# Allegro board trx_layout.brd (continued)
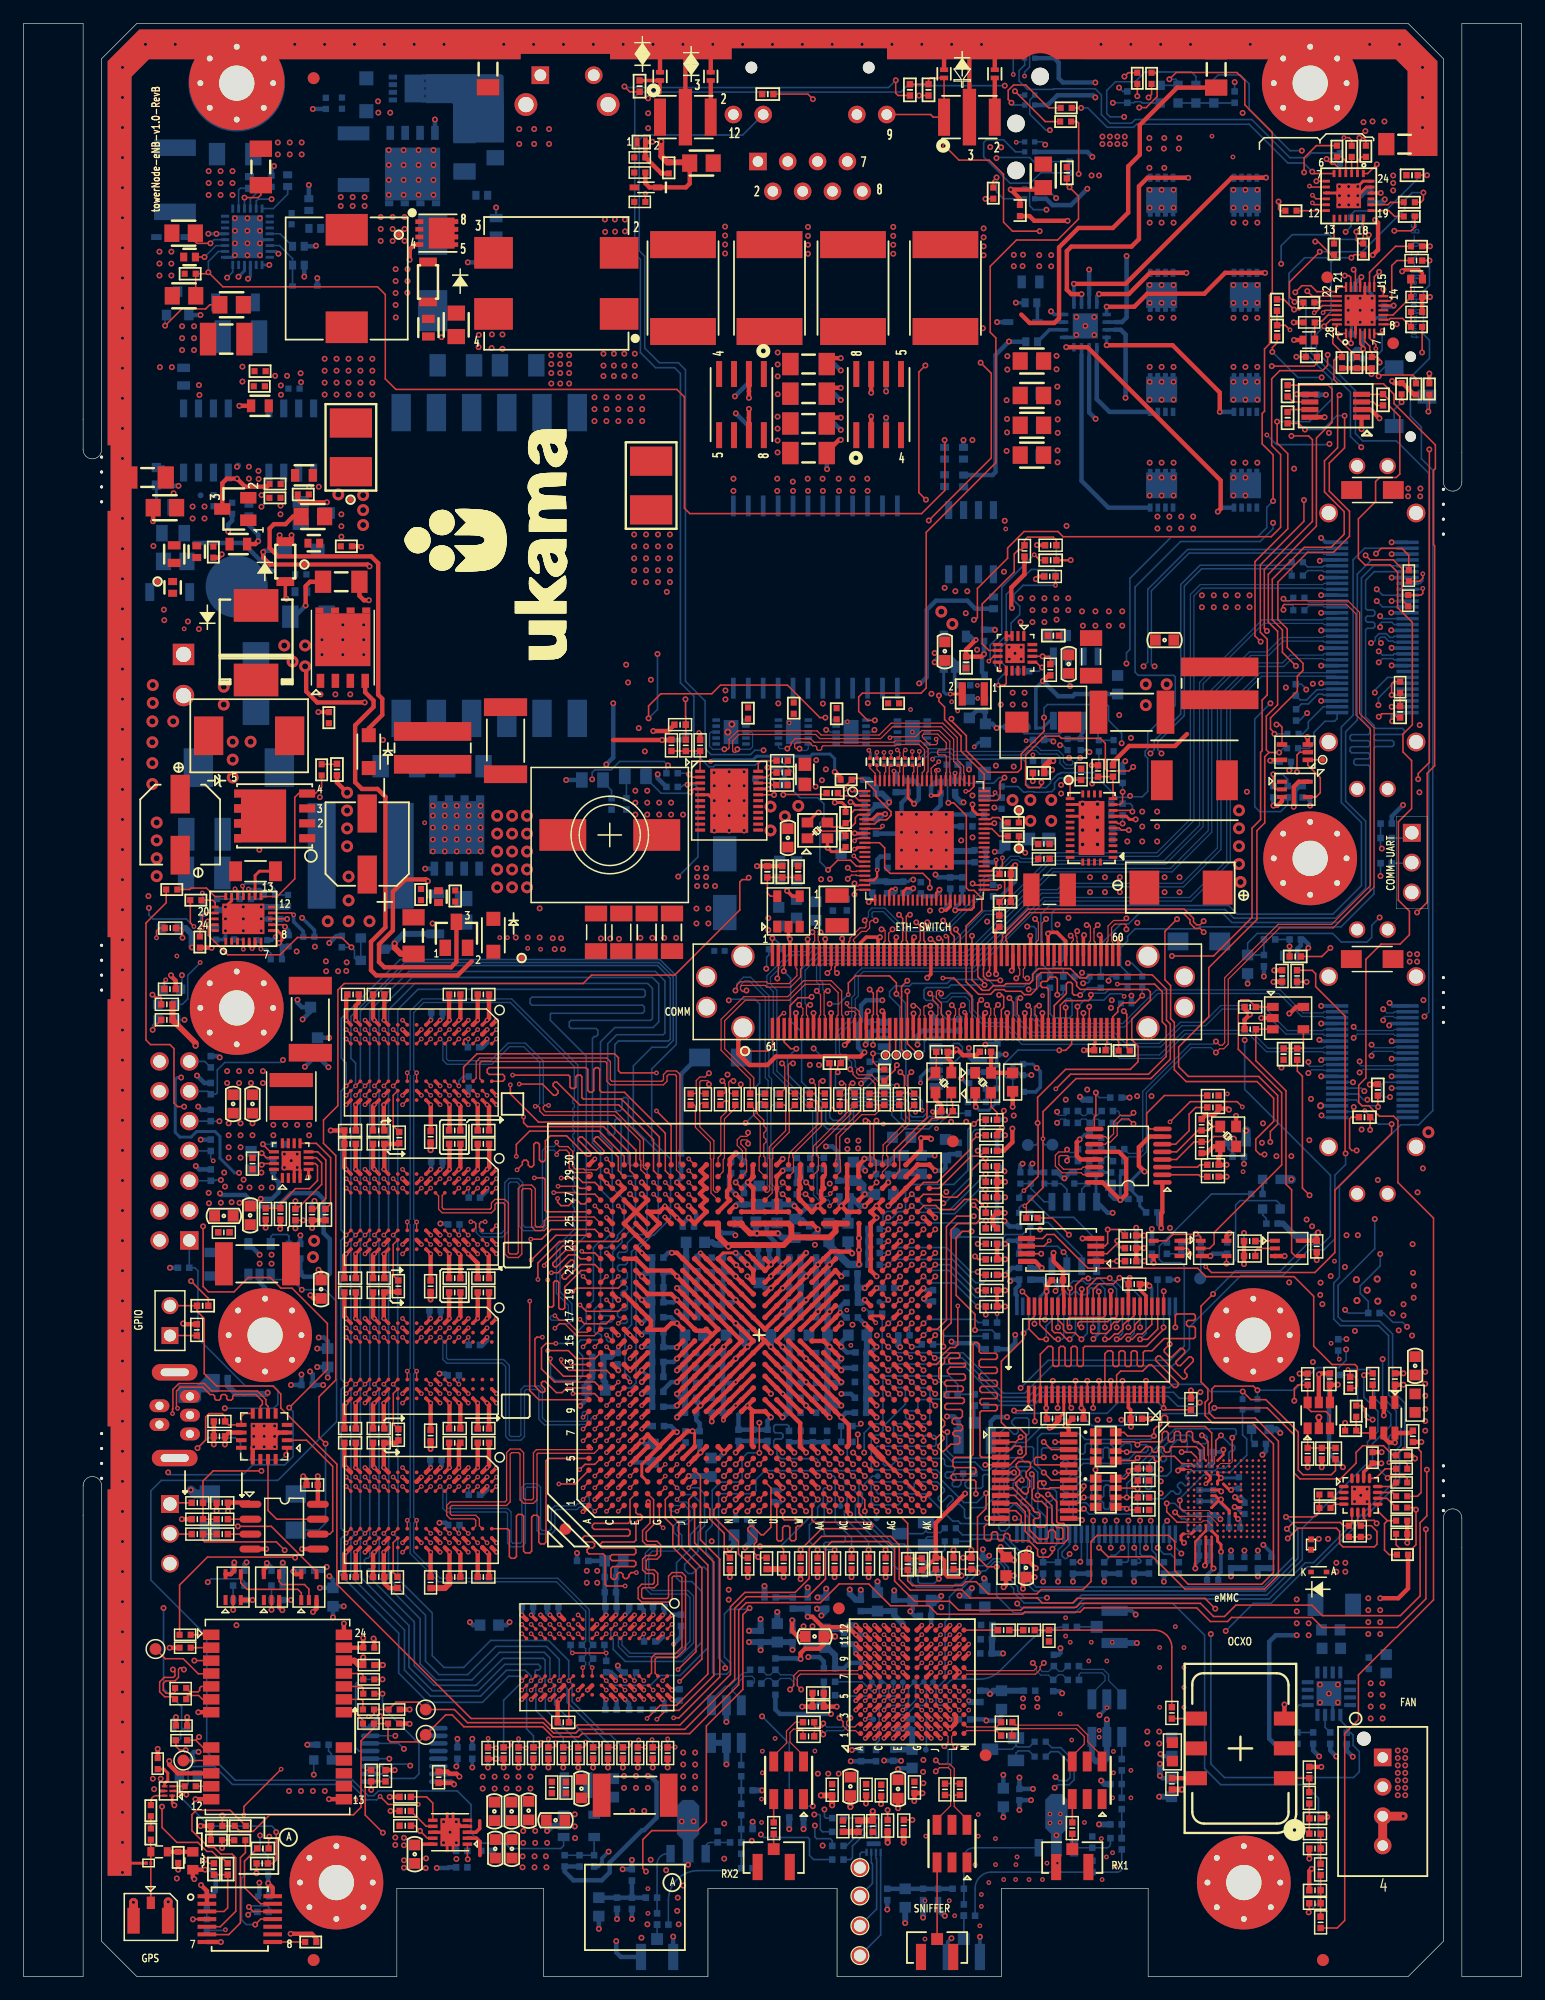
[diagram p0: board, top side]
## Routing (per net, layer and track width the routed paths; a pad name or vN(x,y) marks a point on that pad's centre or on a via; arc(x,y) is an arc through that point) (continued)
7130_DDR3_DQ61: length 29.6
  TOP w0.127: v2(56.67,68.61) U1.K29
  TOP w0.137: U11.A2 v2(40.29,80.63)
  L6-SIGNAL w0.127: v2(56.67,68.61) 57.16,69.1 57.16,69.9 56.7,70.36 52.97,70.36 46.28,77.04 41.63,81.7 41.45,81.7 41.25,81.5 41.25,81.32 42.91,79.66 42.91,79.46 42.74,79.28 42.52,79.28 41.18,80.63 v2(40.29,80.63)
7130_DDR3_DQ62: length 29.6
  TOP w0.127: v2(56.67,67.61) U1.K28
  TOP w0.137: v2(40.29,79.83) U11.A3
  L6-SIGNAL w0.127: v2(56.67,67.61) 55.95,68.33 55.95,69.32 55.6,69.67 52.74,69.67 46.58,75.84 43.69,75.84 42.28,77.25 41.98,77.55 41.98,77.75 42.13,77.89 42.36,77.89 44.01,76.24 44.2,76.24 44.33,76.37 44.33,76.62 42.62,78.34 42.27,78.34 40.77,79.83 v2(40.29,79.83)
7130_DDR3_DQ63: length 29.6
  TOP w0.137: U11.C3 v2(38.69,79.83)
  TOP w0.152: v2(56.67,66.61) U1.K27
  L6-SIGNAL w0.127: v2(56.67,66.61) 56.2,67.08 55.48,67.08 55.18,67.39 55.18,68.89 54.69,69.37 52.51,69.37 46.99,74.88 41.81,74.88 39.31,77.39 39.31,77.62 39.55,77.86 39.75,77.86 40.46,77.16 40.64,77.16 40.91,77.43 40.91,77.61 v2(38.69,79.83)
7130_DDR3_DQS0N: length 29.6
  TOP w0.114: U1.J2 v2(55.67,40.61) ; U35.G3 v2(50.44,29.18)
  BOTTOM w0.114: v2(55.67,40.61) 55.88,40.4 56.46,40.4 57.08,39.78 57.08,39.07 56.52,38.51 55.95,38.51 55.71,38.27 55.71,37.94 56.08,37.57 56.08,36.63 55.67,36.22 53.58,36.22 53.27,35.92 53.27,33.17 53.58,32.87 56.6,32.87 57.08,32.39 57.08,28.41 55.9,27.23 51.54,27.23 50.68,28.09 50.68,28.95 v2(50.44,29.18)
7130_DDR3_DQS0P: length 29.6
  TOP w0.114: U35.F3 v2(51.24,29.18) ; U1.J1 v2(55.67,39.61)
  BOTTOM w0.114: v2(51.24,29.18) 50.99,28.93 50.99,28.22 51.67,27.54 55.77,27.54 56.78,28.54 56.78,32.26 56.47,32.57 53.45,32.57 52.97,33.05 52.97,36.05 53.45,36.53 55.54,36.53 55.77,36.76 55.77,37.44 55.4,37.81 55.4,38.39 55.82,38.81 56.4,38.81 56.78,39.19 56.78,39.65 56.33,40.1 55.16,40.1 55.05,39.98 55.05,39.72 55.15,39.61 55.67,39.61 v2(55.67,39.61)
7130_DDR3_DQS1N: length 29.6
  TOP w0.127: U35.B7 53.8,25.82 53.8,27.03 53.93,27.16 55.63,27.16 56.4,27.92 56.4,34.09 56.09,34.39 55.25,34.39 54.95,34.09 54.95,32.31 54.82,32.18 52.79,32.18 52.66,32.31 52.66,32.97 52.79,33.1 53.73,33.1 54.03,33.4 54.03,34.32 53.73,34.62 53.17,34.62 53.04,34.75 53.04,35.41 53.17,35.54 53.97,35.54 54.27,35.84 54.27,36.76 53.97,37.06 53.17,37.06 53.04,37.19 53.04,37.84 53.68,38.47 53.68,40.6 U1.F2
7130_DDR3_DQS1P: length 29.6
  TOP w0.127: U35.C7 53.5,25.84 53.5,27.16 53.8,27.46 55.5,27.46 56.09,28.05 56.09,33.96 55.96,34.09 55.38,34.09 55.25,33.96 55.25,32.18 54.95,31.88 52.66,31.88 52.36,32.18 52.36,33.1 52.66,33.4 53.6,33.4 53.73,33.53 53.73,34.19 53.6,34.32 53.04,34.32 52.74,34.62 52.74,35.54 53.04,35.84 53.84,35.84 53.97,35.97 53.97,36.63 53.84,36.76 53.04,36.76 52.74,37.06 52.74,37.98 53.37,38.61 53.37,40.48 53.27,40.58 53.17,40.58 53.06,40.46 53.06,40.19 53.13,40.11 U1.F1
7130_DDR3_DQS2N: length 29.6
  TOP w0.114: U30.G3 35.09,41.33 v2(35.49,41.73) ; U1.B1 v2(48.67,39.61)
  BOTTOM w0.114: v2(48.67,39.61) 48.32,39.97 47.36,39.97 47.16,39.77 45.4,39.77 45.27,39.64 45.27,37.98 44.97,37.67 44.05,37.67 43.75,37.98 43.75,41.53 43.62,41.66 42.88,41.66 42.76,41.53 42.76,36.9 42.45,36.59 41.54,36.59 41.23,36.9 41.23,39.42 41.1,39.55 36.04,39.55 35.73,39.86 35.73,41.49 v2(35.49,41.73)
7130_DDR3_DQS2P: length 29.6
  TOP w0.114: v2(36.29,41.73) 35.89,41.33 U30.F3 ; U1.A2 v2(47.67,40.61)
  BOTTOM w0.114: v2(36.29,41.73) 36.03,41.47 36.03,39.99 36.16,39.86 41.23,39.86 41.54,39.55 41.54,37.02 41.66,36.9 42.32,36.9 42.45,37.02 42.45,41.66 42.76,41.96 43.75,41.96 44.05,41.66 44.05,38.1 44.18,37.98 44.84,37.98 44.97,38.1 44.97,39.77 45.27,40.07 47.02,40.07 47.21,40.26 48.09,40.26 48.2,40.38 48.2,40.73 48.06,40.87 47.93,40.87 v2(47.67,40.61)
7130_DDR3_DQS3N: length 29.6
  TOP w0.114: U30.B7 38.83,38.39 38.83,38.97 38.53,39.27 36.48,39.27 36.35,39.4 36.35,39.98 36.48,40.11 41.16,40.11 41.46,40.41 41.46,44.48 41.59,44.6 42.17,44.6 42.3,44.48 42.3,40.59 42.6,40.29 43.44,40.29 43.75,40.59 43.75,44.48 43.82,44.55 48.62,44.55 U1.B6
7130_DDR3_DQS3P: length 29.6
  TOP w0.114: U30.C7 38.53,38.36 38.53,38.84 38.4,38.97 36.35,38.97 36.05,39.27 36.05,40.11 36.35,40.41 41.03,40.41 41.16,40.54 41.16,44.6 41.46,44.91 42.3,44.91 42.6,44.6 42.6,40.72 42.73,40.59 43.31,40.59 43.44,40.72 43.44,44.6 43.7,44.86 48.41,44.86 48.46,44.91 48.46,45.01 48.36,45.11 U1.A6
7130_DDR3_DQS4N: length 29.6
  TOP w0.114: U15.G3 35.09,66.73 35.36,66.46 35.36,65.33 35.67,65.03 39.86,65.03 40.16,65.33 40.16,65.74 40.29,65.86 40.88,65.86 41,65.74 41,61.52 41.31,61.22 42.15,61.22 42.45,61.52 42.45,66.96 42.58,67.08 43.16,67.08 43.29,66.96 43.29,63.82 43.59,63.52 44.36,63.52 44.66,63.82 44.66,64.21 44.81,64.37 48.38,64.37 48.42,64.33 48.42,64.18 48.36,64.11 U1.A25
7130_DDR3_DQS4P: length 29.6
  TOP w0.114: U1.B25 48.61,64.67 44.69,64.67 44.36,64.34 44.36,63.95 44.23,63.82 43.72,63.82 43.59,63.95 43.59,67.08 43.29,67.39 42.45,67.39 42.15,67.08 42.15,61.65 42.02,61.52 41.43,61.52 41.31,61.65 41.31,65.86 41,66.17 40.16,66.17 39.86,65.86 39.86,65.46 39.73,65.33 35.8,65.33 35.67,65.46 35.67,66.51 35.89,66.73 U15.F3
7130_DDR3_DQS5N: length 29.7
  TOP w0.114: U15.B7 38.83,63.79 38.83,64.11 38.98,64.26 v2(39.33,64.26) ; v2(45.42,71.05) 45.42,70.89 45.65,70.67 46.38,70.67 46.79,70.25 46.79,68.98 47.01,68.76 47.73,68.76 47.81,68.68 48.83,68.68 49.17,69.03 U1.B30
  BOTTOM w0.114: v2(45.42,71.05) 45.42,70.89 45.19,70.67 44.55,70.67 44.2,70.32 44.2,64.05 43.96,63.81 42.73,63.81 42.53,64.01 42.53,67.59 42.17,67.95 41.35,67.95 41,67.6 41,63.58 40.7,63.27 39.07,63.27 38.87,63.48 38.87,64.05 39.09,64.26 v2(39.33,64.26)
7130_DDR3_DQS5P: length 29.6
  TOP w0.114: U15.C7 38.53,63.76 38.53,64.11 38.37,64.26 v2(38.11,64.26) ; U1.A29 48.38,68.11 48.43,68.16 48.43,68.37 48.34,68.46 46.88,68.46 46.49,68.85 46.49,70.12 46.25,70.36 45.65,70.36 45.42,70.13 v2(45.42,69.98)
  BOTTOM w0.114: v2(38.11,64.26) 38.37,64.26 38.56,64.07 38.56,63.35 38.95,62.97 40.83,62.97 41.31,63.45 41.31,67.48 41.47,67.64 42.04,67.64 42.22,67.46 42.22,63.88 42.6,63.5 44.09,63.5 44.51,63.92 44.51,70.2 44.67,70.36 45.19,70.36 45.42,70.13 v2(45.42,69.98)
7130_DDR3_DQS6N: length 29.6
  TOP w0.114: v2(35.49,79.83) 35.09,79.43 U11.G3 ; v2(43.59,74.09) 43.85,74.09 43.98,73.97 43.98,73.69 44.34,73.33 50.34,73.33 52.51,71.16 52.51,69.55 52.59,69.47 52.59,68.7 52.91,68.38 U1.F29
  BOTTOM w0.114: v2(35.49,79.83) 35.73,79.59 35.73,78.02 36.08,77.68 39.91,77.68 41.41,79.17 42.62,79.17 43.98,77.82 43.98,74.32 43.75,74.09 v2(43.59,74.09)
7130_DDR3_DQS6P: length 29.6
  TOP w0.107: v2(36.29,79.83) 35.89,79.43 U11.F3
  TOP w0.114: U1.F30 53.23,69.11 53.23,68.85 53.11,68.72 52.99,68.72 52.81,68.9 52.81,71.27 50.45,73.64 44.47,73.64 44.28,73.83 44.28,74.05 44.4,74.17 v2(44.74,74.17)
  BOTTOM w0.114: v2(44.74,74.17) 44.43,74.17 44.28,74.32 44.28,77.94 42.74,79.48 41.28,79.48 39.78,77.98 36.2,77.98 36.03,78.15 36.03,79.57 v2(36.29,79.83)
7130_DDR3_DQS7N: length 29.6
  TOP w0.114: U11.B7 38.87,76.45 38.87,77.78 39,77.9 49.56,77.9 49.69,77.78 49.69,76.23 49.99,75.92 54.52,75.92 54.82,76.23 54.82,76.67 54.95,76.8 55.49,76.8 55.62,76.67 55.62,68.66 U1.J29
7130_DDR3_DQS7P: length 29.6
  TOP w0.114: U11.C7 38.56,76.5 38.56,77.9 38.87,78.21 49.69,78.21 49.99,77.9 49.99,76.35 50.12,76.23 54.39,76.23 54.52,76.35 54.52,76.8 54.82,77.1 55.62,77.1 55.93,76.8 55.93,69.2 56.02,69.11 U1.J30
7130_DDR3_ODT0: length 170
  TOP w0.119: R228.1 55.48,19.51 v2(55.51,19.54)
  TOP w0.137: U1.C17 49.63,55.58 47.78,55.58 v2(47.4,55.96) ; U15.K1 32.69,68.33 v2(32.29,68.73) ; v2(32.29,56.03) 32.69,55.63 U23.K1 ; U11.K1 32.69,81.03 v2(32.29,81.43) ; U35.K1 v2(47.24,30.78) ; v2(32.29,43.33) 32.69,42.93 U30.K1
  L3-SIGNAL w0.127: v2(47.4,55.96) 46.11,55.96 45.98,56.09 45.98,58.14 46.11,58.27 46.24,58.27 46.36,58.14 46.36,56.49 46.49,56.37 46.62,56.37 46.74,56.49 46.74,57.7 46.87,57.83 47.19,57.83 47.32,57.95 47.32,58.61 48.08,59.37 48.08,59.92 47.95,60.05 47.63,60.05 47.51,60.18 47.51,60.37 47.63,60.49 47.95,60.49 48.08,60.62 48.08,60.81 47.95,60.94 47.63,60.94 47.51,61.06 47.51,61.19 47.63,61.32 47.95,61.32 48.08,61.45 48.08,62.72 48.5,63.13 48.68,63.13 48.81,63 48.81,62.82 48.55,62.55 48.55,62.37 48.69,62.23 48.87,62.23 51.14,64.49 51.14,65.79 50.74,66.18 50.74,66.65 50.62,66.78 50.27,66.78 50.15,66.91 50.15,69.97 44.46,75.66 44.46,77.26 41.72,79.99 41.54,79.99 41.4,79.85 41.4,79.67 43.7,77.38 43.7,77.2 43.56,77.06 43.38,77.06 43.2,77.25 41.85,78.59 39.48,78.59 39.35,78.72 39.35,78.97 39.48,79.1 40.76,79.1 40.88,79.23 40.88,82.06 40.67,82.27 32.65,82.27 32.29,81.92 v2(32.29,81.43) 32.29,81.42 32.8,81.42 33.22,81 33.22,79.14 32.84,78.76 32.84,77.7 32.96,77.57 33.22,77.57 33.35,77.7 33.35,78.4 33.47,78.53 33.79,78.53 33.92,78.4 33.92,76.3 33.31,75.69 33.31,74.25 32.77,73.71 32.77,70 32.29,69.52 v2(32.29,68.73) 32.7,68.73 33,68.42 33,66.02 32.24,65.26 32.24,64.04 33.15,63.12 33.15,61.45 32.77,61.06 32.77,56.51 v2(32.29,56.03) 33,56.03 33.35,55.68 33.35,52.95 33.99,52.3 33.99,50.85 33.28,50.14 33.28,43.98 33.15,43.86 32.9,43.86 32.77,43.98 32.77,48.05 32.65,48.17 32.42,48.17 32.29,48.05 v2(32.29,43.33) 33.87,43.33 34.3,42.9 34.3,38.08 33.28,37.06 33.28,36.17 33.41,36.05 34.04,36.05 34.17,35.92 34.17,35.66 34.04,35.54 33.41,35.54 33.28,35.41 33.28,35.16 33.41,35.03 44.08,35.03 47.24,31.86 v2(47.24,30.78) 47.94,30.78 48.46,30.27 48.46,27.85 48.9,27.41 48.9,22.46 50.07,21.29 54.59,21.29 55.51,20.37 v2(55.51,19.54)
7130_DDR3_RAS: length 165.5
  TOP w0.119: v2(54.24,19.47) 54.2,19.51 R227.1
  TOP w0.137: v2(33.89,41.73) 33.49,41.33 U30.J3 ; U23.J3 33.49,54.03 v2(33.89,54.43) ; v2(44.66,59.31) 44.66,57.13 44.79,57 45.03,57 45.16,57.13 45.16,59.1 45.28,59.22 45.47,59.22 45.6,59.1 45.6,56.94 45.73,56.81 45.98,56.81 46.11,56.94 46.11,58.72 47.51,60.11 U1.A21 ; v2(33.89,79.83) 33.49,79.43 U11.J3 ; v2(33.89,67.13) 33.49,66.73 U15.J3 ; U35.J3 v2(48.84,29.18)
  L6-SIGNAL w0.127: v2(44.66,59.31) 43.82,60.15 43.82,63.16 47.14,66.47 50.53,66.47 51.44,65.56 53.58,65.56 54.19,66.17 57.23,66.17 57.46,66.4 57.46,70.21 57.01,70.67 53.12,70.67 41.57,82.21 33.84,82.21 33.4,81.77 33.4,80.32 v2(33.89,79.83) 34.62,79.1 34.62,77.51 34.49,77.38 34.36,77.38 34.23,77.51 34.23,78.84 34.11,78.97 33.92,78.97 33.79,78.84 33.79,77.26 34.11,76.94 34.11,76.06 33.46,75.42 33.46,67.56 v2(33.89,67.13) 33.89,63.46 33.41,62.98 33.41,61.83 34.04,61.19 34.04,57.79 33.92,57.66 33.79,57.66 33.66,57.79 33.66,60.66 33.54,60.78 33.35,60.78 33.22,60.66 33.22,55.1 v2(33.89,54.43) 34.17,54.15 34.17,51.2 33.38,50.41 33.38,47.67 34.04,47.01 34.04,44.68 33.92,44.55 33.79,44.55 33.66,44.68 33.66,46.4 33.54,46.52 33.35,46.52 33.22,46.4 33.22,42.4 v2(33.89,41.73) 33.89,39.61 34.28,39.22 34.28,35.8 34.74,35.35 45.23,35.35 48.33,32.25 48.33,29.7 v2(48.84,29.18) 48.84,22.2 50.18,20.87 53.41,20.87 54.24,20.04 v2(54.24,19.47)
7130_DDR3_RESET: length 162
  TOP w0.137: U23.T2 v2(27.49,55.23) ; U30.T2 v2(27.49,42.53) ; v2(50.67,50.61) U1.C11 ; U11.T2 v2(27.49,80.63) ; U15.T2 v2(27.49,67.93) ; U35.T2 v2(42.44,29.98)
  L3-SIGNAL w0.127: v2(39.58,20.27) 39.58,20.68 41.84,22.94 41.84,29.38 v2(42.44,29.98) 41.46,30.97 29.73,30.97 27.07,33.62 27.07,42.11 v2(27.49,42.53) 27.09,42.93 27.09,54.83 v2(27.49,55.23) 26.92,55.8 26.92,67.36 v2(27.49,67.93) 26.92,68.5 26.92,80.06 v2(27.49,80.63) 26.92,81.2 26.92,82.03 31.35,86.46 50.17,86.46 55.67,80.97 55.67,80.79 55.47,80.59 55.29,80.59 51.95,83.92 51.74,83.92 51.59,83.78 51.59,83.52 55.76,79.35 55.76,72.11 57.67,70.21 57.67,64.11 56.71,63.16 54.07,63.16 53.2,62.28 53.2,51.43 52.86,51.1 51.15,51.1 v2(50.67,50.61)
  BOTTOM w0.127: v2(39.58,20.27) 39.58,19.52 R464.1
7130_DDR3_VREF: length 5.5
  TOP w0.381: v2(50.67,53.61) U1.D15
  BOTTOM w0.381: R407.2 50.67,53.15 v2(50.67,53.61)
  BOTTOM w0.508: R407.2 50.37,53.09 50.04,52.76 R406.1 C338.1 49.41,50.75 49.56,50.59 C345.1
7130_DDR3_WE: length 165.3
  TOP w0.119: R225.1 51.6,19.51 51.72,19.63 v2(51.72,19.91)
  TOP w0.137: U1.B21 48.66,60.62 47.44,60.62 46.2,59.38 46.02,59.38 45.88,59.51 45.88,59.69 46.91,60.72 46.91,60.9 46.8,61.01 46.62,61.01 45.54,59.92 v2(44.97,59.92) ; v2(31.49,41.73) 31.89,41.33 U30.L3 ; v2(31.49,79.83) 31.89,79.43 U11.L3 ; v2(31.49,67.13) 31.89,66.73 U15.L3 ; v2(31.49,54.43) 31.89,54.03 U23.L3 ; U35.L3 v2(46.44,29.18)
  L6-SIGNAL w0.127: v2(44.97,59.92) 44.97,63.05 47.02,65.1 49.92,65.1 50.4,64.62 53.91,64.62 54.41,64.11 56.84,64.11 58.07,65.34 58.07,70.74 57.54,71.27 53.42,71.27 41.47,83.23 33.15,83.23 31.87,81.94 31.87,80.21 v2(31.49,79.83) 31.9,79.42 31.9,74.48 31.57,74.15 31.57,69.91 31.69,69.78 31.82,69.78 31.95,69.91 31.95,72.88 32.08,73 32.2,73 32.33,72.88 32.33,69.45 31.91,69.03 31.91,67.55 v2(31.49,67.13) 31.87,66.75 31.87,60.87 32.27,60.48 32.27,57.7 32.14,57.57 32.01,57.57 31.88,57.7 31.88,59.92 31.76,60.05 31.63,60.05 31.5,59.92 31.5,56.27 31.87,55.9 31.87,54.81 v2(31.49,54.43) 31.88,54.04 31.88,47.96 32.27,47.57 32.27,44.81 32.14,44.68 32.01,44.68 31.88,44.81 31.88,46.71 31.76,46.84 31.57,46.84 31.44,46.71 31.44,44.17 31.86,43.75 31.86,42.1 v2(31.49,41.73) 31.87,41.35 31.87,35.81 33.6,34.08 44.9,34.08 46.87,32.11 46.87,29.61 v2(46.44,29.18) 46.44,27.76 46.39,27.71 46.39,26.11 46.87,25.63 46.87,22.83 49.48,20.22 51.41,20.22 v2(51.72,19.91)
7130_DDR3PLL: length 4.3
  TOP w0.381: U1.AF28 v1(73.67,67.61)
  BOTTOM w0.381: v1(73.67,67.61) 73.64,67.64 C258.1 73.64,68.33 C257.1 L21.1
7130_DSP_JTAG_TCK: length 8
  TOP w0.137: U1.AC3 v1(70.67,41.61) ; R198.2 v1(73.44,36.34)
  BOTTOM w0.137: v1(70.67,41.61) 70.67,41.46 71.12,41.01 71.12,40.43 70.87,40.18 70.87,38.9 v1(73.44,36.34)
7130_DSP_JTAG_TDI: length 8.6
  TOP w0.137: U1.AA4 v1(68.67,42.61) ; R196.2 v1(70.54,36.34)
  BOTTOM w0.137: v1(68.67,42.61) 69.01,42.61 69.15,42.48 69.15,38.74 70.54,37.35 v1(70.54,36.34)
7130_DSP_JTAG_TDO: length 10.3
  TOP w0.137: U1.Y5 v1(67.67,43.61)
  BOTTOM w0.137: R415.2 65.21,46.85 65.07,46.99 64.05,46.99 63.91,46.85 63.91,46.42 64.05,46.28 64.56,46.28 64.7,46.15 64.7,45.9 64.56,45.77 64.05,45.77 63.91,45.63 63.91,45.1 64.18,44.82 64.18,44.44 64.53,44.09 67.54,44.09 67.67,43.96 v1(67.67,43.61)
7130_DSP_JTAG_TMS: length 7.9
  TOP w0.137: R194.2 v1(67.65,36.34) ; U1.AA3 v1(68.67,41.61)
  BOTTOM w0.137: v1(68.67,41.61) 68.26,41.61 68.13,41.48 68.13,40.42 67.65,39.94 67.65,39.16 66.95,38.46 66.95,37.04 v1(67.65,36.34)
7130_DSP_JTAG_TRST: length 7.8
  TOP w0.137: U1.AB3 v1(69.67,41.61) ; R197.2 v1(71.99,36.34)
  BOTTOM w0.137: v1(69.67,41.61) 70.15,41.13 70.15,39.83 69.93,39.61 69.93,39.08 71.99,37.02 v1(71.99,36.34)
7130_EJTAG_TDO: length 153.7
  TOP w0.137: v1(74.67,60.61) U1.AG21
  L6-SIGNAL w0.127: v1(16.81,67.82) 17.36,67.82 17.65,67.53 17.65,66.5 17.27,66.12 17.27,61.92 15.37,60.02 15.37,52.45 17.98,49.85 17.98,43.54 18.8,42.71 18.8,36.03 18.43,35.65 18.43,30.77 19.61,29.59 27.45,29.59 27.48,29.61 28.01,30.14 30.09,30.14 34.85,25.39 34.85,16.63 36.25,15.23 44.6,15.23 45.97,16.59 55.05,16.59 56,17.54 56.43,17.54 56.64,17.76 56.64,19.21 57.58,20.15 57.58,32.92 57.48,33.02 57.48,43.58 58.16,44.27 58.16,57.55 59.7,59.08 73.87,59.08 74.22,59.43 74.22,60.16 v1(74.67,60.61)
  BOTTOM w0.137: v1(16.81,67.82) 16.33,67.82 16.27,67.75 R346.2 J5.5
7130_EJTAG_TRST_L: length 159.4
  TOP w0.137: v1(75.67,61.61) U1.AH22
  L6-SIGNAL w0.127: v1(75.67,61.61) 75.76,61.61 76.14,61.24 76.14,60.29 75.75,59.89 75.75,59.41 75.18,58.85 75.18,58.5 74.85,58.17 74.6,58.17 74.11,57.69 74.11,57.3 73.23,56.41 71.22,56.41 70.46,57.17 61.21,57.17 60.13,56.09 60.13,44.44 59.85,44.17 59.6,44.17 58.14,42.71 58.14,33.3 58.24,33.19 58.24,18.67 58.14,18.57 58.14,16.25 57.05,15.16 45.57,15.16 44.97,14.57 35.8,14.57 34.09,16.28 34.09,25.22 30.02,29.28 28.56,29.28 28.18,28.9 17.73,28.9 16.82,29.82 16.82,38.2 18.01,39.4 18.01,42.44 16.69,43.76 16.69,47.93 v1(17.15,48.39)
  BOTTOM w0.137: v1(17.15,48.39) 21.33,48.39 21.67,48.73 21.67,49.93 21.33,50.27 18.93,50.27 14.86,54.33 14.86,60.09 14.6,60.35 R387.2 14.13,62.67 J5.1
7130_GPIO0: length 97
  TOP w0.137: U1.AG12 v1(74.67,50.61)
  L6-SIGNAL w0.127: v1(74.67,50.61) 75.14,51.08 75.14,55.71 75.5,56.07 75.75,56.07 77.15,57.46 77.15,65.17 76.16,66.16 76.16,66.92 74.96,68.12 70.06,68.12 60.02,78.16 57.79,78.16 46.34,89.6 36.09,89.6 35.7,89.22 32.77,89.22 32.47,89.52 31.02,89.52 29.72,88.21 26.98,88.21 26.22,87.45 25.3,87.45 24.06,86.21 22.76,86.21 21.92,87.05 16.78,87.05 14.7,84.97 14.7,84.89 13.71,83.9 v1(13.71,81.46)
  BOTTOM w0.137: LED9.2 v1(13.71,81.46)
7130_GPIO8: length 43.5
  TOP w0.137: v1(77.62,52.66) 77.62,52.66 U1.AK14 ; R166.1 111.76,43.08 111.41,42.72 109,42.72 108.59,43.13 108.59,46.36 105.83,49.12 104.55,49.12 v1(103.86,49.81)
  BOTTOM w0.137: v1(77.62,52.66) 79.98,52.66 83.32,49.31 85.55,49.31 86.37,50.14 97.6,50.14 97.89,50.42 100.49,50.42 101.09,49.81 v1(103.86,49.81) 103.85,49.79 R2N2.1
7130_GPIO10_3V3: length 7
  TOP w0.137: R661.2 69.36,77.52 v1(69.36,77)
  BOTTOM w0.137: U59.6 72.64,76.51 71.65,75.52 69.3,75.52 69.16,75.66 69.16,76.8 v1(69.36,77)
7130_GPIO13_3V3: length 46
  TOP w0.137: v1(78.36,53.64) 78.36,54.99 79.02,55.65 79.02,63.58 79.56,64.11 81.14,64.11 81.43,64.4 81.43,65.2 v1(80.94,65.68)
  L3-SIGNAL w0.127: v1(74.4,75.83) 74.4,76.24 74.67,76.51 77.22,76.51 78.42,75.31 87.03,75.31 88.82,73.52 88.82,72.3 88.7,72.17 85.42,72.17 85.06,71.82 85.06,71.8 83.13,69.87 83.12,69.87 82.26,69.01 81.71,69.01 80.94,68.24 v1(80.94,65.68)
  BOTTOM w0.137: v1(74.4,75.83) 74.31,75.92 73.53,75.92 U59.5 ; v1(78.36,53.64) 78.18,53.83 R399.2
7130_GPIO14_3V3: length 49.6
  TOP w0.137: v1(81.05,55.04) 81.05,56.39 79.45,58 79.45,62.91 79.99,63.45 80.76,63.45 v1(80.76,63.44)
  L3-SIGNAL w0.127: v1(72.37,79.32) 73.65,79.32 75.45,77.52 75.45,77.52 76.68,77.52 78.56,75.64 87.17,75.64 89.15,73.66 89.15,71.77 88.06,70.67 84.91,70.67 84.3,70.06 84.29,70.06 82.7,68.48 82.7,65.73 82.16,65.19 80.66,65.19 80.24,64.77 80.24,63.97 v1(80.76,63.44)
  BOTTOM w0.137: R398.2 82.93,54.61 82.5,55.05 v1(81.05,55.04) ; v1(72.37,79.32) 72.34,79.32 72.34,79.32 72.37,79.35 72.37,79.65 72.6,79.89 U58.6
7130_HOT: length 64.2
  TOP w0.137: U1.AH12 v1(75.67,50.61) ; v1(101.45,48.41) 105.95,48.41 108.22,46.14 108.22,42.89 108.74,42.37 112.17,42.37 113.52,43.71 113.52,44.63 114.08,45.2 115.84,45.2 116.66,44.37 R167.2 117.51,44.98 118.75,44.98 119.05,44.68 119.05,41.2 118.75,40.89 R173.2
  BOTTOM w0.137: v1(101.45,48.41) 100.97,47.93 94.81,47.93 93.79,46.91 91.01,46.91 90.46,47.46 87.35,47.46 85.36,45.47 84.61,45.47 82.25,43.11 81.74,43.11 81.04,43.8 79.16,43.8 79.15,43.82 79.13,43.82 78.18,44.76 78.18,49.03 78.05,49.16 77.86,49.16 77.48,49.16 77.22,49.43 77.22,49.8 77.22,49.8 76.91,50.11 TP30.1 v1(75.67,50.61)
7130_I2C0_EEPROM_WP: length 34.4
  TOP w0.137: U19.7 v1(86.7,61.54)
  L6-SIGNAL w0.127: v1(86.7,61.54) 87.06,61.18 92.47,61.18 92.65,61.35 94.35,61.35 95.71,59.99 107.59,59.99 108.28,59.3 108.28,57.98 109.78,56.49 109.78,54.08 111.3,52.56 v2(112.09,52.56)
  BOTTOM w0.137: R382.1 86.69,61.54 v1(86.7,61.54) ; R401.2 111.99,52.65 v2(112.09,52.56)
7130_I2C1_EEPROM_WP: length 49.8
  L6-SIGNAL w0.127: v1(117.86,55.32) 117.72,55.46 111.74,55.46 108.94,58.26 108.94,60.63 107.72,61.85 102.8,61.85 101.81,60.86 96.8,60.86 96.25,61.42 94.85,61.42 94.58,61.68 88.61,61.68 v1(88.6,61.67)
  BOTTOM w0.137: R394.2 115.87,56.49 116.65,55.7 117.48,55.7 v1(117.86,55.32) ; TP23.1 79.68,62.97 83.47,62.97 83.68,63.18 85.1,63.18 R367.2 R371.1 85.78,62.32 85.92,62.18 88.09,62.18 v1(88.6,61.67) 88.88,61.39 U62.7
7130_JTAG_TCK: length 154.3
  TOP w0.137: v1(74.67,59.61) U1.AG20
  L6-SIGNAL w0.127: v1(74.67,59.61) 74.67,59.86 75.19,60.38 75.19,60.87 74.99,61.07 59.8,61.07 56.22,57.5 56.22,41.41 56.64,40.99 56.64,32.92 56.92,32.65 56.92,21.59 54.32,19 36.27,19 35.64,19.63 35.64,25.6 30.19,31.05 26.53,31.05 26.1,31.48 22.52,31.48 21.2,32.8 21.2,41.4 18.74,43.86 18.74,50.02 16.03,52.73 16.03,59.74 17.96,61.67 17.96,63.2 20.72,65.95 20.72,67 20.71,67 20.71,67.37 18.8,69.28 17.06,69.28 16.69,69.65 v1(16.69,72.82)
  BOTTOM w0.137: J5.9 R329.2 15.96,72.82 v1(16.69,72.82)
7130_JTAG_TDI: length 153.3
  TOP w0.137: U1.AH21 v1(75.67,60.61)
  L6-SIGNAL w0.127: J5.3 15.29,65.21 15.75,64.75 15.75,61.49 13.67,59.41 13.67,58.85 15.04,57.48 15.04,52.27 17.6,49.71 17.6,43.41 18.37,42.65 18.37,39.24 17.22,38.1 17.22,30.02 17.99,29.26 27.59,29.26 28,29.67 30.1,29.67 34.47,25.3 34.47,16.46 36.03,14.9 44.83,14.9 45.46,15.53 56.42,15.53 56.77,15.88 56.77,17.22 57.03,17.48 57.33,17.48 57.75,17.9 57.75,18.65 57.91,18.8 57.91,33.06 57.81,33.16 57.81,43.12 59.17,44.48 59.17,57.36 59.97,58.17 73.56,58.17 74.56,59.17 74.97,59.17 75.36,59.56 75.36,60.05 75.67,60.35 v1(75.67,60.61)
7130_JTAG_TMS: length 154.9
  TOP w0.137: v1(73.67,59.61) U1.AF20
  L6-SIGNAL w0.127: v2(16.17,69.45) 16.17,69.4 16.63,68.94 18.65,68.94 19.7,67.88 19.7,65.47 17.6,63.37 17.6,61.78 15.7,59.88 15.7,52.59 18.38,49.91 18.38,43.68 20.02,42.04 20.02,31.08 20.97,30.14 26.76,30.14 26.85,30.23 26.85,30.24 27.11,30.5 30.2,30.5 35.26,25.45 35.26,16.81 36.52,15.56 44.41,15.56 45.37,16.51 45.37,18.21 45.67,18.52 55.02,18.52 57.25,20.75 57.25,32.78 57.15,32.88 57.15,45.41 57.47,45.73 57.47,47.2 57.22,47.45 57.22,57.58 59.7,60.06 73.22,60.06 v1(73.67,59.61)
  BOTTOM w0.137: J5.7 R335.2 15.95,69.67 v2(16.17,69.45)
7130_LATCH_A16: length 25.9
  TOP w0.137: v1(86.16,47.27) 86.12,47.31 U22.2
  L6-SIGNAL w0.127: v1(97.43,38.8) 97.43,38.52 97.55,38.39 98.34,38.39 98.96,39.01 98.96,43.28 97.99,44.25 97.99,44.95 95.92,47.03 95.17,47.03 94.91,47.29 94.13,47.29 93.62,46.79 89.69,46.79 88.63,47.85 86.4,47.85 86.16,47.61 v1(86.16,47.27)
  BOTTOM w0.137: v1(97.43,38.8) 97.12,38.5 U64.3
7130_LATCH_A17: length 26
  TOP w0.137: U22.3 86.62,52.99 87.29,53.66 87.55,53.66 87.69,53.52 87.69,52.08 87.83,51.95 88.07,51.95 88.21,52.08 88.21,53.52 88.34,53.66 88.59,53.66 88.72,53.52 88.72,52.08 88.86,51.95 89.11,51.95 89.24,52.08 89.24,53.52 89.38,53.66 89.62,53.66 89.76,53.52 89.76,52.08 89.9,51.95 90.14,51.95 90.28,52.08 90.28,53.52 90.42,53.66 95.67,53.66 97.12,55.1 v1(97.12,55.27)
  BOTTOM w0.137: U64.54 v1(97.12,55.27)
7130_LATCH_A18: length 25.7
  TOP w0.137: v1(87.68,50.72) 87.62,50.66 U22.5
  L3-SIGNAL w0.127: v1(87.68,50.72) 87.79,50.83 88.16,50.83 88.32,50.68 88.32,50.3 88.16,50.14 87.09,50.14 86.96,50.01 86.96,49.76 87.09,49.63 88.16,49.63 88.29,49.5 88.29,49.26 87.62,48.58 87.62,47.24 87.7,47.15 87.88,47.15 87.99,47.26 88.15,47.26 88.27,47.14 88.27,46.39 88.69,45.98 88.69,38.55 88.56,38.42 87.5,38.42 87.38,38.3 87.38,38.04 87.5,37.91 88.56,37.91 88.69,37.79 88.69,37.25 89.11,36.82 v1(89.11,35.97)
  BOTTOM w0.137: v1(89.11,35.97) 89.11,35.85 88.86,35.6 88.67,35.6 88.47,35.8 88.47,36.14 89.12,36.79 U64.19
7130_LATCH_A19: length 25.8
  TOP w0.137: v1(88.09,48.41) 88.12,48.44 U22.6
  L3-SIGNAL w0.127: v1(89.62,36.51) 89.56,36.45 89.56,34.95 89.75,34.77 93.62,34.77 93.73,34.88 93.73,35.06 93.6,35.19 90.69,35.19 90.54,35.34 90.54,35.94 90.06,36.42 90.06,36.69 89.23,37.53 89.23,47.28 v1(88.09,48.41)
  BOTTOM w0.137: U64.18 v1(89.62,36.51)
7130_LATCH_A20: length 25.9
  TOP w0.137: U22.8 89.12,48.55 v1(89.26,48.41)
  L3-SIGNAL w0.127: v1(93.12,38.82) 92.88,39.06 92.88,39.58 93.01,39.7 93.46,39.7 93.67,39.49 93.67,38.47 93.8,38.34 94.65,38.34 94.78,38.22 94.78,37.22 94.65,37.09 92.79,37.09 92.66,37.22 92.66,38.16 92.54,38.28 92.28,38.28 92.15,38.16 92.15,37.66 92.03,37.54 91.77,37.54 91.65,37.66 91.65,38.16 91.52,38.28 91.27,38.28 91.14,38.16 91.14,37.66 91.01,37.54 90.76,37.54 90.63,37.66 90.63,39.37 90.77,39.51 90.77,42.3 90.05,43.03 90.05,47.62 v1(89.26,48.41)
  BOTTOM w0.137: U64.11 v1(93.12,38.82)
7130_LATCH_A21: length 25.6
  TOP w0.137: U22.9 v1(89.62,50.72)
  L3-SIGNAL w0.127: v1(89.62,50.72) 88.78,50.72 88.65,50.59 88.65,50.28 88.78,50.15 90.1,50.15 90.22,50.02 90.22,49.77 90.1,49.64 88.92,49.64 88.8,49.51 88.8,48.21 89.61,47.4 89.61,37.85 90.38,37.08 90.87,37.08 91.1,36.84 91.1,35.72 91.23,35.6 93.05,35.6 93.18,35.72 93.18,36.38 93.05,36.51 v1(92.62,36.51)
  BOTTOM w0.137: U64.12 v1(92.62,36.51)
7130_LATCH_A22: length 25.6
  TOP w0.137: U22.11 v1(90.62,50.72)
  L3-SIGNAL w0.127: v1(90.62,50.72) 90.62,43.09 91.12,42.59 91.12,42.08 91.25,41.95 94.2,41.95 94.32,41.83 94.32,41.59 94.18,41.45 91.26,41.45 91.12,41.3 91.12,41.05 91.25,40.92 92.42,40.92 92.55,40.79 92.55,40.54 92.42,40.41 91.25,40.41 91.12,40.29 91.12,40.03 91.25,39.91 92.42,39.91 92.55,39.78 92.55,39.52 92.42,39.4 91.25,39.4 91.12,39.27 v1(91.12,38.82)
  BOTTOM w0.137: U64.15 v1(91.12,38.82)
7130_LATCH_A23: length 26.3
  TOP w0.137: U22.12 v1(91.12,48.41)
  L6-SIGNAL w0.127: v1(91.12,48.41) 91.6,47.93 97.68,47.93 97.86,47.75 98.04,47.75 98.65,48.36 98.83,48.36 99.01,48.18 99.01,48 98.4,47.39 98.4,47.21 98.58,47.03 98.76,47.03 99.37,47.64 99.55,47.64 99.73,47.46 99.73,47.28 99.12,46.67 99.12,46.49 99.99,45.62 99.99,39.33 97.62,36.96 v1(97.62,36.53)
  BOTTOM w0.137: U64.2 v1(97.62,36.53)
7130_LATCH_A24: length 26.5
  TOP w0.137: U22.13 v1(91.62,50.72)
  L6-SIGNAL w0.127: v1(91.62,50.72) 92.33,50.01 98.07,50.01 101.29,46.78 101.29,40.13 98.3,37.14 98.3,36.35 v1(98.63,36.02)
  BOTTOM w0.137: v1(98.63,36.02) 98.12,36.53 U64.1
7130_LATCH_A25: length 26.4
  TOP w0.137: U22.14 92.12,53.03 92.37,53.28 92.66,53.28 92.8,53.14 92.8,52.08 92.94,51.94 93.18,51.94 93.32,52.08 93.32,53.14 93.45,53.28 93.7,53.28 93.83,53.14 93.83,52.08 93.97,51.94 94.22,51.94 94.35,52.08 94.35,53.14 94.49,53.28 94.73,53.28 94.87,53.14 94.87,52.08 95.01,51.94 95.25,51.94 95.39,52.08 95.39,53.14 95.53,53.28 96.13,53.28 97.17,54.32 99.69,54.32 99.82,54.45 99.82,55.21 99.69,55.35 99.21,55.35 99.07,55.48 99.07,55.73 99.21,55.86 99.69,55.86 99.82,56 99.82,56.28 99.69,56.41 98.26,56.41 98.12,56.28 v1(98.12,55.27)